# Altium PCB BMS.PcbDoc (part 2 of 2) (continued)
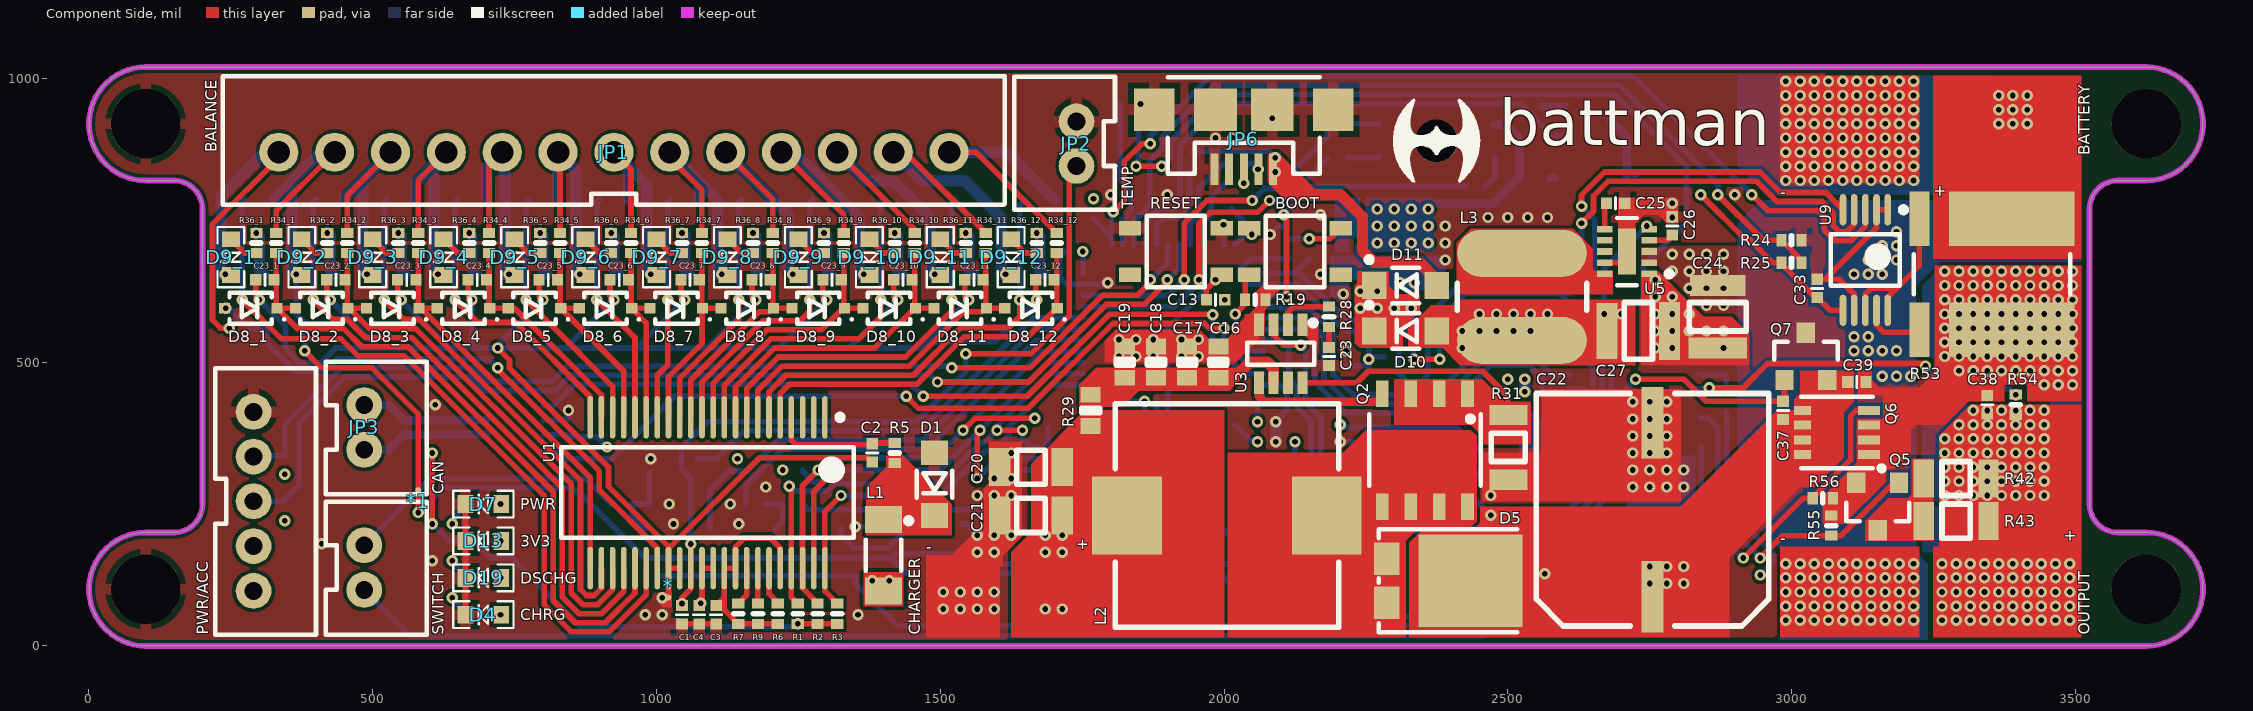
[diagram p0: Component Side view]
## Nets (pads, with @x,y where several pads share a name; then routed paths per layer and width w, separated by ;. In a path a pad name is that pad's centre, name@x,y a point inside that pad or via, vN(x,y) a via of type N, cw(c..) or ccw(c..) an arc to the next point about the centre after c; other vN are vias at no path point) (continued)
  Solder Side w10: v1(1640,610) 1640,777.13 Q3_12.1@1649.41,786.54
NetQ3_12_3: Q3_12.3 R35_12.2 R36_12.2 | length 77.9
  Solder Side w20: v1(1670,727.72) 1675,722.72 Q3_12.3@1675,703.46 1675,662.4 R35_12.2@1682.4,655
NetQ5_2: Q5.2 R42.1 R43.1
NetQ8_1: Q8.1 R38.1 R39.2 | length 78.4
  Solder Side w10: R39.2@1192.72,250 R38.1@1222.28,250 1222.28,219.41 Q8.1@1209.41,206.54
NetQ8_3: Q8.3 Q10.3 Q11.3 Q12.3 R49.1 | length 1607.3
  Solder Side w10: Q12.3@1005,123.46 Q11.3@1120,123.46 Q8.3@1235,123.46 Q10.3@1350,123.46 1350,110 1424.4,35.6 2438.31,35.6 R49.1@2530,127.28
NetQ9_1: Q9.1 R41.1 U2.43 U10.7 | length 1732.2
  Solder Side w10: Q9.1@1490.59,128.46 1491.06,128 1993.17,128 2069.58,51.6 2426.69,51.6 2470.17,95.08 2470.17,144.83 U10.7@2455,160 ; U2.43@2068.94,538.62 2101.38,538.62 2114,526 2114,471 2128,457 2128,421 2154,395 2154,298.37 2203.37,249 2313.63,249 2405.42,157.2 U10.7@2432.6,157.2
NetQ9_3: Q9.3 Q10.1 R44.2 | length 216.2
  Solder Side w10: Q10.1@1324.41,206.54 1324.41,195.59 1347.8,172.2 1407.44,172.2 1446.78,211.54 Q9.3@1465,211.54 1498.82,211.54 R44.2@1502.28,215
NetQ11_1: Q11.1 R45.2 U2.19 | length 843.1
  Solder Side w10: Q11.1@1094.41,206.54 1094.41,274.41 1128.17,308.17 1160.55,308.17 1215.37,363 1470.67,363 1665.98,558.31 U2.19@1752.01,558.31
NetQ13_1: Q13.1 R59.2 U2.28 | length 947.7
  Solder Side w10: U2.28@1861.26,706.93 1861.26,746.31 1885.95,771 1916,771 1922.97,777.97 1922.97,855.34 ; 1923,855.37 1923,883.24 1994.76,955 2522.28,955 R59.2@2527.28,950 2577.87,899.41 Q13.1@2598.46,899.41
NetR6_1: R6.1 U1.39 | length 69.2
  Component Side w10: U1.39@1198.27,137.13 1198.27,92.32 1213.88,76.7 R6.1@1213.88,74.44
NetR7_1: R7.1 U1.37 | length 68.9
  Component Side w10: R7.1@1143.86,74.44 1143.86,74.68 1158.9,89.72 U1.37@1158.9,137.13
NetR9_1: R9.1 U1.38 | length 58
  Component Side w10: R9.1@1178.58,79.16 U1.38@1178.58,137.13
NetR11_1: R11.1 U2.32 | length 168.1
  Solder Side w10: U2.32@1940,706.93 1940,745 1955,760 1955,805.39 R11.1@1998.44,848.84 ; R11.1@2000.32,850 R11.1@2002.28,850
NetR12_1: R12.1 R13.2 U2.33 | length 125.7
  Solder Side w10: U2.33@1959.69,706.93 1959.69,742.06 1977.28,759.66 R13.2@1977.28,770 1977.28,790 R12.1@2002.28,815
NetR14_1: R14.1 U2.29 | length 175.3
  Solder Side w10: U2.29@1880.95,706.93 1880.95,743.37 1892.58,755 1922.63,755 1938.97,771.34 1938.97,776.04 ; 1939,776.07 1939,834.57 R14.1@1945,834.57
NetR22_1: R22.1 U7.10 | length 1640.8
  Component Side w10: v1(1845,845) v1(1890,845)
  Solder Side w10: v1(1845,845) 1848,845 1849,844 1849,916.28 R22.1@1852.72,920 ; v1(1890,845) 1907,862 1907,889.87 1989.13,972 2688,972 2815,845 2815,745 2739,669 2739,516.3 2751.3,504 U7.10@2841,504
NetR28_1: R28.1 U3.2 | length 98.1
  Component Side w10: U3.2@2112.8,566.18 2112.8,588.1 2122.41,597.72 R28.1@2185,597.72
NetR30_2: R30.2 R32.1 R33.2 U3.3 | length 590.3
  Component Side w10: U3.3@2087.2,566.18 2087.2,547.67 2104.88,530 v1(2135,530)
  Solder Side w10: v1(2135,530) 2135,525 2140,525 2144,521 2144,428.99 2170,402.99 2170,305 2210,265 2327.72,265 2352.72,290 R32.1@2382.28,290 R30.2@2382.28,325
NetR33_1: R33.1 U4.6 | length 52.2
  Solder Side w10: U4.6@2307.79,340.35 2307.8,294.49 R33.1@2312.28,290
NetR39_1: R39.1 R40.2 U2.18 | length 733.2
  Solder Side w10: R39.1@1157.28,250 R40.2@1157.28,280 1157.28,282.28 1222,347 1477.3,347 1668.92,538.62 U2.18@1752.01,538.62
NetR52_1: R52.1 U2.25 U9.3 | length 1766.2
  Component Side w10: v1(1805,765) 1824,784 1824,853.7 1855.3,885 v1(1870,885) ; v1(2930,795) 2958,767 3046.96,767 3057.72,756.23 3057.72,733.3 3077,714.02 3104.26,714.02 3130,739.76 U9.3@3130,768.58
  Solder Side w10: R52.1@1770,752.28 U2.25@1802.21,720.08 ; v1@1806.38,763.62 1805,763.62 v1(1805,765) 1802.21,762.21 U2.25@1802.21,720.08 ; v1(1870,885) 1870,898.12 1975.88,1004 2721,1004 v1(2930,795) ; U2.25@1802.21,720.08 U2.25@1802.21,706.93 U2.25@1802.21,720.08
NetR53_3: R53.3 U9.9 | length 105.7
  Component Side w10: U9.9@3149.69,591.42 3149.69,565.31 3162.14,552.86 3217.74,552.86 R53.3@3222.24,557.36
NetR53_4: R53.4 U9.8 U9.10 | length 272.1
  Component Side w10: U9.8@3130,591.42 3130,620 3140,630 3185,630 ; U9.10@3169.37,591.42 3169.37,614.37 3185,630 ; R53.4@3225.24,752.64 3225.24,670.24 3185,630
NetU2_40: U2.40 U7.8 | length 688.7
  Solder Side w10: U2.40@2068.94,597.68 2097.32,597.68 2101.01,593.99 2150.75,593.99 2192,552.75 2192,478.05 2227.05,443 2372.75,443 2459.31,529.57 U7.8@2604,529.57 U7.8@2614,529.57
NetU2_41: U2.41 U7.6 | length 694.7
  Solder Side w10: U2.41@2068.94,577.99 2144.13,577.99 2176,546.12 2176,471.42 2220.42,427 2379.37,427 2463.37,511 2544,511 2576.61,478.39 U7.6@2604,478.39 U7.6@2609,478.39
NetU2_42: U2.42 U7.4 | length 723.7
  Solder Side w10: U2.42@2068.94,558.31 2069.24,558 2141.49,558 2160,539.49 2160,464.79 2213.79,411 2386,411 2470,495 2537.37,495 2560,472.37 2560,445 2577.8,427.2 U7.4@2604,427.2 U7.4@2609,427.2
NetU10_1: U10.1 Y2.2 | length 107
  Solder Side w10: Y2.2@2210.79,100 Y2.2@2194.21,100 2194.21,124.21 2201.61,131.61 U10.1@2257.4,131.61
NetU10_2: U10.2 Y2.1 | length 189.6
  Solder Side w10: Y2.1@2100.79,100 2100.79,115.79 2142.2,157.2 U10.2@2257.4,157.2
POWER_BTN: Q1.3 R62.1 U2.20 | length 784.5
  Solder Side w10: Q1.3@1071.54,330 R62.1@1107.28,330 1107.28,332.28 1154,379 1464.05,379 1663.04,577.99 U2.20@1752.01,577.99
PRECHARGE_GATE: Q5.1 R55.1 U7.14 | length 583.3
  Component Side w10: v1(2945,155) 2945,155.56 2983.73,194.28 R55.1@3070,194.28 3087.32,194.28 Q5.1@3177.4,284.37
  Solder Side w10: U7.14@2841,401.61 2853.39,401.61 2870,385 2870,230 v1(2945,155)
SPI.CS1: R3.2 U1.44 U2.14 | length 727.7
  Component Side w10: R3.2@1318.6,74.44 1318.6,74.94 1296.69,96.85 1296.69,236.69 v1(1325,265)
  Solder Side w10: v1(1325,265) 1500.25,265 1578.25,343 1592.7,343 1621,371.3 1621,386 1694.88,459.88 U2.14@1752.01,459.88
SPI.CS2: R61.1 U2.12 U11.1 | length 149.7
  Solder Side w10: U11.1@1729.53,275.08 1737.55,275.08 1802.21,339.73 U2.12@1802.21,390
SPI.MISO: R8.1 U1.43 U2.16 U11.2 | length 1055.9
  Component Side w10: U1.43@1277.01,137.13 1277.01,272.01 v1(1315,310) ; v1(1565,295) 1565,380 v1(1570,380)
  Solder Side w10: R8.1@1257.72,310 1257.72,307.59 1263.3,302 1264,302 1264,301.3 1276.3,289 1293.7,289 1306,301.3 1306,302 1306.7,302 1314.7,310 v1(1315,310) 1500,310 v1(1570,380) ; v1(1565,295) 1565.3,295 1586.3,316 1633.7,316 1639.7,310 1693.43,310 1709.84,293.59 U11.2@1709.84,275.08 ; v1@1567.37,377.63 1689,499.25 U2.16@1752.01,499.25
SPI.MOSI: R2.2 U1.42 U2.17 U11.5 | length 982.6
  Component Side w10: U1.42@1257.32,137.13 U1.42@1257.32,101.81 ; R2.2@1283.86,74.44 1283.86,75.28 U1.42@1257.32,101.81 ; v1(1285,310) 1257.32,282.32 U1.42@1257.32,101.82 ; v1(1540,380) 1540.3,380 1561.3,401 v1(1666.72,401)
  Solder Side w10: v1(1285,310) 1306,331 1491.3,331 v1@1540,379.7 ; v1(1540,380) v1@1540,379.7 ; U2.17@1752.01,518.94 1679.24,518.94 v1@1540,379.7
SPI.SCK: R1.2 U1.41 U2.15 U11.6 | length 964.6
  Component Side w10: v1(1233.87,281.13) 1237.64,277.36 1237.64,85.66 R1.2@1248.86,74.44 ; v1(1600,380) v1(1645,380)
  Solder Side w10: v1(1233.87,281.13) 1235,281.13 1243.13,273 1300.33,273 1313.33,286 1498.63,286 1571.63,359 1578.7,359 1600,380.3 1600,387.63 1691.94,479.57 U2.15@1752.01,479.57 ; v1(1645,380) 1645,365 1660,350 1680,350 1690.16,360.16 U11.6@1690.16,384.92
USB.DM: JP6.D- R11.2 | length 28.5
  Solder Side w10: R11.2@2037.72,845 2042.72,850 2050,850 v1(2060,840)
USB.DP: JP6.D+ R12.2
  other v1: 2035,815
V-: *.2 C2.1 C5.1 C23_1.1 C23_2.1 C23_3.1 C23_4.1 C23_5.1 C23_6.1 C23_7.1 C23_8.1 C23_9.1 C23_10.1 C23_11.1 C23_12.1 U1.30 U1.31 | length 4050.2
  Component Side w10: C23_1.1@293.86,645 293.86,616.14 v1(300,610) ; C23_2.1@418.86,645 418.86,616.14 v1(425,610) ; C23_3.1@543.86,645 543.86,616.14 v1(550,610) ; C23_4.1@668.11,645 668.11,616.89 v1(675,610) ; v1(720,525) 720,524.7 741,503.7 741,489.25 915.31,314.95 915.31,281.17 1021.1,175.38 U1.30@1021.1,171.4 ; C23_5.1@793.11,645 793.11,616.89 v1(800,610) ; C23_6.1@918.11,645 918.11,616.89 v1(925,610) ; U1.31@1040.79,137.13 U1.30@1021.1,137.13 U1.30@1021.1,171.4 ; C23_7.1@1043.11,645 1043.11,616.89 v1(1050,610) ; C23_8.1@1168.11,645 1168.11,616.89 v1(1175,610) ; C23_9.1@1293.11,645 1293.11,616.89 v1(1300,610) ; C2.1@1380,324.25 1372.87,331.38 1181.08,331.38 U1.30@1021.1,171.4 ; C23_10.1@1418.11,645 1418.11,616.89 v1(1425,610) ; C23_11.1@1543.11,645 1543.11,616.89 v1(1550,610) ; C23_12.1@1668.11,645 1668.11,611.89 v1(1670,610)
  Solder Side w10: v1(300,610) 346.14,563.86 C5.1@346.14,560 346.14,524.16 371.3,499 408.75,499 434.75,525 510,525 ; v1(425,610) 510,525 ; v1(550,610) 635,525 ; v1(675,610) 675,530 680,525 ; v1(800,610) v1@715,525 ; v1(925,610) 840,525 ; v1(1050,610) 965,525 ; v1(1175,610) 1090,525 ; v1(1300,610) 1215,525 ; v1(1425,610) 1340,525 ; v1(1550,610) 1476,536 ; v1(1670,610) 1596,536 1476,536 ; 510,525 635,525 ; 635,525 680,525 ; 680,525 v1@715,525 ; v1@715,525 v1(720,525) 840,525 ; 840,525 965,525 ; 965,525 1090,525 ; 1090,525 1215,525 ; 1215,525 1340,525 ; 1340,525 1465,525 1476,536
VBB: C38.1 C39.1 Q4.3 Q4.3_1 Q4.3_2 Q4.3_3 Q4.3_4 Q4.3_5 Q5.3 Q6.1 R50.1 R53.1 R55.2 R56.2
  other v1: 2530,447.72 3445,460 3470,460 3495,460 3295,485 3320,485 3345,485 3370,485 3395,485 3420,485 3445,485 3470,485 3495,485 3270,510 3295,510 3320,510 3345,510 3370,510 3395,510 3420,510 3445,510 3470,510 3495,510 3270,535 3295,535 3320,535 3345,535 3370,535 3395,535 3420,535 3445,535 3470,535 3495,535 3270,560 3295,560 3320,560 3345,560 3370,560 3395,560 3420,560 3445,560 3470,560 3495,560 3270,585 3295,585 3320,585 3345,585 3370,585 3395,585 3420,585 3445,585 3470,585 3495,585 3270,610 3295,610 3320,610 3345,610 3370,610 3395,610 3420,610 3445,610 3470,610 3495,610 3270,635 3295,635 3320,635 3345,635 3370,635 3395,635 3420,635 3445,635 3470,635 3495,635 3270,660 3295,660 3320,660 3345,660 3370,660 3395,660 3420,660 3445,660 3470,660 3495,660
  other v2: 2530,470
VCC: BOOT.3 BOOT.4 C6.2 C9.2 C10.2 C11.2 C12.2 C29.2 C32.2 C33.2 C35.1 C40.2 C41.2 C42.1 D2.2 D14.1 L4.2 LS1.1 PWR/ACC.4 R1.1 R2.1 R3.1 R8.2 R13.1 R15.2 R16.2 R17.2 R18.2 R25.2 R37.2 R52.2 R61.2 R62.2 U2.1 U2.9 U2.24 U2.36 U2.48 U4.1 U4.2 U4.5 U4.7 U6.3 U7.5 U7.7 U8.3 U9.6 U10.8 U11.8 | length 3885
  Component Side w10: v1(605,215) 605,335 610,340 v1(605,340) ; v1(1248.86,39.01) R2.1@1283.86,39.01 R3.1@1318.6,39.01 ; v1(2150,717.72) 2187.09,717.72 BOOT.3@2205.71,736.34 ; v1(2840,795) 2918.89,716.11 2926.26,716.11 2967.37,675 R25.2@2982.28,675 2982.28,673.22 3041.65,613.86 C33.2@3045,613.86 3067.44,591.42 U9.6@3090.63,591.42
  Solder Side w10: v1(605,215) 635,185 R37.2@675,185 ; R37.2@677.28,185 R37.2@675,185 ; U8.3@801.18,372.2 841.65,372.2 C32.2@845,368.86 894.63,368.86 v1(912.83,350.65) 914.35,350.65 v1@915,350 ; v1(1248.86,39.01) 1243.85,34 866,34 745,155 707.48,155 675,187.48 R37.2@675,185 ; U11.8@1729.53,384.92 1758.78,384.92 C42.1@1770,396.14 1770,405.9 1795.61,431.51 1859.75,431.51 v1(1859.95,431.31) 1861.26,430 1861.26,347.4 C11.2@1848.86,335 ; U2.24@1750,658.74 U2.24@1752.01,656.73 1752.01,694.13 v1(1751.14,695) ; R61.2@1802.72,305 1832.72,335 C11.2@1848.86,335 ; C11.2@1853.86,335 C11.2@1848.86,335 ; R13.1@2012.72,770 2048.86,733.86 v1(2048.86,725) 2036.81,725 U2.36@2018.74,706.93 ; U2.1@2018.74,390 2048.74,360 v1(2058.86,360) ; v1(2058.86,395) 2058.86,430.12 U2.48@2068.94,440.2 ; R16.2@2115,717.72 v1(2150,717.72) ; v1(2125,360) 2125,304.75 2197.76,231.98 2308.02,231.98 2408.39,131.61 U10.8@2432.6,131.61 2432.6,96.46 C35.1@2421.14,85 ; v1(2205,389.68) 2205,385.61 2264.39,385.61 ; C41.2@2215,493.86 2248.86,493.86 2255,500 v1(2255,505) ; U4.1@2255,491.26 2255.63,490.63 U4.1@2255.63,533.58 ; U4.1@2256.61,509.65 U4.2@2282.2,509.65 ; U4.7@2282.2,340.35 2282.2,367.8 2264.39,385.61 ; U4.5@2333.39,340.35 2333.39,367.22 2315,385.61 ; U7.5@2609,452.8 2634.97,452.8 2650,437.76 ; U7.7@2609,503.98 2634.97,503.98 2650,488.94 2650,437.76 ; 2264.39,385.61 2315,385.61 ; 2315,385.61 2409.39,385.61 2520,275 2620,275 2650,305 2650,437.76
  Solder Side w15: v1(2330,770) 2340,780 2475,780 2520,825 2520,895 2496.46,918.54 D2.2@2477.36,918.54 ; LS1.1@2575,825 2575.2,824.8 LS1.1@2582.68,824.8
  other v1: 345,220.31 345,302.28 1222.28,310 1142.72,330 2270,710 2300,710 2330,710 2360,710 2270,740 2300,740 2330,740 2360,740 2270,770 2300,770 2360,770 1770,787.72
VDD: C24.2 L1.1 Q7.2 R57.2 U5.2 U5.3 | length 46.4
  Solder Side w10: v1(640,215) 640,222.56 R57.2@667.44,250
  other v1: 1380,115 1410,115 2850,600 2880,600 2820,630 2850,630 2880,630 2790,660 2820,660 2850,660 2880,660 2790,690 2820,690 2850,690 2880,690
VUSB: D11.2 D15.1 JP6.VBUS R14.2 | length 601.8
  Component Side w20: JP6.VBUS@2086.18,860 JP6.VBUS@2086.18,840 2086.18,820.59 2110.77,796 2115.77,796 2116.77,795 2205,795 2244,756 2244,696 2264,676 2344,676 2375.12,644.88 D11.2@2375.12,635 D11.2@2375.12,630
  Solder Side w10: R14.2@1945,870 1946.83,871.83 2078.17,871.83 v1(2090,860)
  other v1: 2090,835
pads on no net: BOOT.1 JP6.ID LS1.3 RESET.2 U1.1 U1.2 U1.3 U2.2 U2.3 U2.4 U2.10 U2.11 U2.13 U2.34 U3.7 U5.7 U5.8 U6.7_1 U6.7_2 U7.3 U7.13 U7.15 U8.5 U8.8 U11.3 U11.7

## Polygon pours and split planes (outlines as drawn)
GND on Solder Side "Top Layer-No Net" (solid, remove dead copper, pour order 31): -30,-80 2780,-80 2975,-80 2975,160 2935,160 2890,205 2890,745 2965,820 2965,1050 -30,1050
VDD on Component Side "Top Layer-No Net" (solid, pour order 30): 3095,410 3095,585 2975,705 2735,705 2735,670 2765,670 2815,620 2815,475 2880,410
GND on Component Side "Top Layer-No Net" (solid, remove dead copper, pour order 32): -60,1100 3059.13,1100 3059.13,254.13 2770,-35 0,-35 -65,30 -120,85 -120,965 -120,1040
CHG+ on Component Side "Top Layer-No Net" (solid, pour order 33): 2310,15 3020,15 3020,295 2310,295
VBB on Component Side "Top Layer-No Net" (solid, pour order 35): 3060,220 3145,220 3365,440 3310,495 3215,495 3130,495 3060,425
DSG- on Ground Plane (split plane): 3504.9,250 3504.93,249.75 3505.25,243.13 3506.26,236.33 3507.93,229.66 3510.25,223.18 3513.19,216.96 3516.73,211.06 3520.82,205.54 3525.44,200.44 3530.54,195.82 3536.06,191.73 3541.96,188.19 3548.18,185.25 3554.66,182.93 3561.33,181.26 3568.13,180.25 3574.75,179.93 3575,179.9 3625,179.9 3625.63,179.97 3632.84,179.61 3640.61,178.46 3648.22,176.55 3655.61,173.91 3662.71,170.55 3669.44,166.51 3675.75,161.84 3681.57,156.57 3686.84,150.75 3691.51,144.44 3695.55,137.71 3698.91,130.61 3701.55,123.22 3703.46,115.61 3704.61,107.84 3705,100 3704.61,92.16 3703.46,84.39 3701.55,76.78 3698.91,69.39 3695.55,62.29 3691.51,55.56 3686.84,49.25 3681.57,43.43 3675.75,38.16 3669.44,33.49 3662.71,29.45 3655.61,26.09 3648.22,23.45 3640.61,21.54 3632.84,20.39 3625.63,20.03 3625,20.1 2965.1,20.1 2965.1,192.89 3098.6,326.4 3099.71,328.05 3100.1,330 3100.1,657.89 3187.11,744.9 3504.9,744.9
GND on Ground Plane (split plane): 177 vertices, not listed, extent 20,20.03 3705,999.97
VBB on Power Plane (split plane): 3504.9,440.1 3175.1,440.1 3175.1,465 3174.71,466.95 3173.6,468.6 2933.6,708.6 2931.95,709.71 2930,710.1 2785,710.1 2783.05,709.71 2781.4,708.6 2731.4,658.6 2730.29,656.95 2729.9,655 2729.9,577.11 2577.89,425.1 2495.1,425.1 2495.1,457.89 2608.6,571.4 2609.71,573.05 2610.1,575 2610.1,605 2610.1,647.89 2732.11,769.9 3504.9,769.9
VDD on Power Plane (split plane): 3164.9,462.89 3164.9,437.11 2921.4,193.6 2787.89,60.1 1852.11,60.1 1783.6,128.6 1781.95,129.71 1780,130.1 1485,130.1 1483.05,129.71 1481.4,128.6 1456.4,103.6 1455.29,101.95 1454.92,100.1 1367.11,100.1 1353.6,113.6 1351.95,114.71 1350,115.1 712.11,115.1 653.6,173.6 651.95,174.71 650,175.1 625.1,175.1 625.1,180 625.1,217.89 632.11,224.9 652.89,224.9 706.4,171.4 708.05,170.29 710,169.9 2350,169.9 2351.95,170.29 2353.6,171.4 2493.6,311.4 2494.71,313.05 2495.1,315 2495.1,414.9 2580,414.9 2581.95,415.29 2583.6,416.4 2738.6,571.4 2739.71,573.05 2740.1,575 2740.1,652.89 2787.11,699.9 2927.89,699.9
DSG+ on Power Plane (split plane): 3504.9,250 3504.93,249.75 3505.25,243.13 3506.26,236.33 3507.93,229.66 3510.25,223.18 3513.19,216.96 3516.73,211.06 3520.82,205.54 3525.44,200.44 3530.54,195.82 3536.06,191.73 3541.96,188.19 3548.18,185.25 3554.66,182.93 3561.33,181.26 3568.13,180.25 3574.75,179.93 3575,179.9 3625,179.9 3625.63,179.97 3632.84,179.61 3640.61,178.46 3648.22,176.55 3655.61,173.91 3662.71,170.55 3669.44,166.51 3675.75,161.84 3681.57,156.57 3686.84,150.75 3691.51,144.44 3695.55,137.71 3698.91,130.61 3701.55,123.22 3703.46,115.61 3704.61,107.84 3705,100 3704.61,92.16 3703.46,84.39 3701.55,76.78 3698.91,69.39 3695.55,62.29 3691.51,55.56 3686.84,49.25 3681.57,43.43 3675.75,38.16 3669.44,33.49 3662.71,29.45 3655.61,26.09 3648.22,23.45 3640.61,21.54 3632.84,20.39 3625.63,20.03 3625,20.1 1740.1,20.1 1740.1,80 1739.71,81.95 1738.6,83.6 1736.95,84.71 1735,85.1 1675,85.1 1673.05,84.71 1671.4,83.6 1645.39,57.6 1374.61,57.6 1358.6,73.6 1356.95,74.71 1355,75.1 687.11,75.1 653.6,108.6 651.95,109.71 650,110.1 625.1,110.1 625.1,157.5 625.1,164.9 647.89,164.9 706.4,106.4 708.05,105.29 710,104.9 1347.89,104.9 1361.4,91.4 1363.05,90.29 1365,89.9 1455,89.9 1456.95,90.29 1458.6,91.4 1459.71,93.05 1460.08,94.92 1461.95,95.29 1463.6,96.4 1487.11,119.9 1777.89,119.9 1846.4,51.4 1848.05,50.29 1850,49.9 2790,49.9 2791.95,50.29 2793.6,51.4 2928.6,186.4 3172.11,429.9 3504.9,429.9
5V on Power Plane (split plane): 2599.9,577.11 2486.4,463.6 2485.29,461.95 2484.9,460 2484.9,317.11 2347.89,180.1 712.11,180.1 658.6,233.6 656.95,234.71 655,235.1 630,235.1 628.05,234.71 626.4,233.6 616.4,223.6 615.29,221.95 614.9,220 614.9,180 614.9,157.5 614.9,155 614.9,20.1 205.1,20.1 205.1,87.89 262.11,144.9 325,144.9 326.95,145.29 328.6,146.4 468.6,286.4 497.11,314.9 1112.89,314.9 1141.4,286.4 1143.05,285.29 1145,284.9 1255,284.9 1256.95,285.29 1258.6,286.4 1357.11,384.9 1972.89,384.9 2031.4,326.4 2033.05,325.29 2035,324.9 2170,324.9 2171.95,325.29 2173.6,326.4 2452.11,604.9 2599.9,604.9
C+ on Power Plane (split plane): 681.4,66.4 683.05,65.29 685,64.9 1352.89,64.9 1368.9,48.9 1370.55,47.79 1372.5,47.4 1647.5,47.4 1649.45,47.79 1651.1,48.9 1677.11,74.9 1729.9,74.9 1729.9,20.1 627.11,20.1 625.1,22.11 625.1,99.9 647.89,99.9
VCC on Power Plane (split plane): 199 vertices, not listed, extent 20,20.03 3705,999.97

## Keep-outs
Keep-Out Layer:
  lines w10: 3524.6,0 200,0 100,0 cw(c100,100) 100,200 150,200 ccw(c150,250) 200,250 200,770 ccw(c150,770) 150,820 100,820 cw(c100,920) 100,1020 200,1020 3524.6,1020 ; 3525,0 3625,0 ccw(c3625,100) 3625,200 3575,200 cw(c3575,250) 3525,250 3525,770 cw(c3575,770) 3575,820 3625,820 ccw(c3625,920) 3625,1020 3525,1020

## Other copper
Component Side:
  region net GND: 1002.78,93.55 1026.74,93.55 1026.74,68.44 1011.56,68.44 1002.78,77.22
  pour cut-out: 2690,655 2730,655 2735,650 2735,615 2690,615
  region net DSG+: 3250,15 3250,175 3495,175 3495,15
  region net B+: 3250,815 3250,1005 3495,1005 3495,815
  region net B+: 3250,682.5 3250,1005 3510,1005 3510,682.5
  region net GND: 2980,815 3225,815 3225,1005 2980,1005
  region net VBB: 3252.31,475 3510,475 3510,670 3252.31,670
  region net DSG+: 3260,15 3510,15 3510,425 3320,425 3315,425 3260,370 3260,340
  region net CHG+: 2348.1,203.1 2437.28,203.1 2451.49,217.31 2451.49,245 2805,245 2975,415 3005,415 3005,435 3015,445 3015,485 3110,485 3110,430 3091.81,411.81 3091.81,331.81 3040,280 3015,280 2890,155 2890,15 2326.49,15 2326.49,181.49
  region net NetD5_2: 2006.49,15 2006.49,340 2210,340 2250,380 2435,380 2445,370 2445,220 2435,210 2345,210 2320,185 2320,15
  region net C+: 1660,320 1755,415 2000,415 2000,15 1660,15
  region net NetQ2_1: 2300,390 2300,470 2455,470 2495,430 2540,430 2540,355 2453.42,355 2453.42,371.57 2435,390
  region net GND: 2455,255 2455,340 2560,340 2560,452.09 2805,452.09 2805,255
  region net C+: 1625,15 1755,15 1755,160 1625,160
  region net GND: 1475,15 1605,15 1605,160 1475,160
  region net NetD1_1: 1370,195 1520,195 1520,250 1435,335 1405,335 1405,315 1370,280
  region net 5V: 2325,525 2325,560 2365,600 2410,600 2410,610 2725,610 2725,495 2415,495 2385,525
  region net NetL3_1: 2410,620 2410,710 2435,735 2615,735 2650,700 2650,665 2655,660 2685,660 2685,620
  region net GND: 1500,140 1610,140 1610,159.18 1643.51,192.69 1643.51,360 1585,360 1585,286.74 1576.18,277.92 1576.18,216.18 1520,160 1515,160 1500,160
  region net VBB: 3255,490 3510,490 3510,480 3510,431.49 3415,431.49 3415,460 3375,460 3375,431.49 3311.49,431.49 3270,390 3220,390 3210,380 3210,340 3181.37,311.37 3165,311.37 3165,287.83 3092.17,215 3055,215 3055,263.1 3115,323.09 3115,400 3161.98,400 3161.98,441.98 3116.49,441.98 3116.49,485 3141.14,485 3141.14,468.85 3154.99,455 3225,455 3255,485
  region net NetQ5_2: 3250,185 3250,330 3212,330 3212,267 3205,260 3170,260 3130,220 3130,185
  region net GND: 2735,495 2735,660 2765,660 2845,580 2895,580 2925,550 2925,495
  region net NetC28_2: 2238.78,525 2315,525 2315,560 2330,575 2345,590 2345,620 2305,620 2290,635 2290,660 2235,660 2235,640 2230,635 2230,533.78
  region net GND: 2695,720 2725,720 2725,745 2740,760 2765,760 2780,745 2800,745 2800,785 2795,790 2695,790
  region net VUSB: 2080,865 2100,865 2165,800 2105,800 2080,825
  region net VDD: 1435,70 1435,130 1365,130 1365,70
  region net DSG-: 2980,15 2980,175 3225,175 3225,15
  region net GND: 2055.01,600.26 2080,600 2080,609.26 2098.78,628.04 2089.78,637.05 2070,637.05 2055.01,622.05
  region net GND: 1790,500 2020,500 2061.61,541.61 2061.61,584.18 2037.76,584.18 2037.76,578.28 2015.65,556.18 2015.65,550.65 2005,540 1974.2,540 1957.17,557.03 1808.92,557.03 1790,538.11
  region net C+: 1625,155 1625,165 1665.71,205.71 1665.71,155
  region net GND: 2040,580 2055,595 2055,620 2080,620 2080,600 2071.61,591.61 2071.61,565 2040,565
  region net GND: 2130,575 2165,575 2165,530 2151.31,530 2151.31,538.69 2140,550 2130,550
  region net NetC16_2: 1745,421.49 1821.49,421.49 1850,450 2010,450 2020,460 2020,490 1775,490 1745,460
Solder Side:
  region net NetC30_1: 2520,400 2555,400 2575,380 2575,370 2560,355 2560,310 2535,310 2520,325
  region net GND: 2790,335 2790,357.57 2710,357.57 2710,240 2830,240 2830,335
  pour cut-out: 2710,455 2810,455 2810,445 2710,445
  region net 5V: 2670,575 2670,595 2700,595 2700,575
  region net DSG+: 3230,255 3455,255 3455,415 3445,425 3230,425
  region net VBB: 3230,165 3510,165 3510,670 3265,670 3230,635 3230,525 3280,475 3410,475 3465,420 3465,245 3230,245
  region net DSG-: 2980,11.22 3240,11.22 3240,145 3220,165 3220,255 3220,635 3262.17,677.17 3510,677.17 3510,785 2945,785 2905,745 2905,245 2980,170
  region net NetC28_2: 2230,585 2340,585 2340,620 2275,620 2275,635 2230,635
  region net VCC: 2250,695 2370,695 2370,790 2250,790
  region net NetL4_1: 2220,695 2220,720 2240,720 2240,790 2195,790 2195,695
  region net VBB: 2520,440 2540,440 2540,475 2535,480 2525,480 2520,475
  region net GND: 2955,795 3510,795 3510,900 3360,900 3345,915 3345,1005 2905,1005 2905,845
  region net GND: 2220,645 2280,645 2290,635 2290,627.01 2390,627.01 2390,665 2390,687.6 2186.97,687.6 2186.97,618.89 2200.86,605 2220,605
  region net VUSB: 2078.33,830 2095,830 2100,835 2100,870 2078.33,870
Ground Plane (plane layer: these items are gaps in the copper):
  lines w10: 2720,455 2880,455 2922.5,497.5 ; 2922.5,767.5 2940,785 2940,825 ; 2960,0 2960,195 3095,330 3095,660 3185,750 3525,750
Power Plane (plane layer: these items are gaps in the copper):
  lines w10: 200,0 200,90 260,150 325,150 465,290 495,320 1115,320 1145,290 1255,290 1355,390 1975,390 2035,330 ; 620,105 650,105 685,70 1355,70 1372.5,52.5 1647.5,52.5 1675,80 1735,80 1735,0 ; 620,155 620,180 620,220 630,230 655,230 710,175 2070,175 2350,175 2490,315 2490,460 2605,575 ; 620,157.5 620,20 640,0 ; 620,170 650,170 710,110 1350,110 1365,95 1455,95 ; 1460,100 1485,125 1780,125 1850,55 2790,55 2925,190 3170,435 ; 2490,420 2580,420 2735,575 2735,655 2785,705 2930,705 3170,465 3170,435 ; 2605,605 2605,575 ; 2605,645 2605,610 2450,610 2170,330 ; 3205,435 3170,435 ; 3244.9,435 3200,435 3525,435 3525,775 2730,775 2605,650 2605,575 ; 3250,435 3522.17,435 ; 2035,330 2170,330 ; 2035,330 2170,330
  lines w20: 3095,0 3244.9,0 ; 3522.17,435 3522.17,787.61

## Silkscreen, mask and mechanical layers (free items; w line width, h text height)
Top Overlay:
  region: 3872 vertices and 0 holes, not listed, extent 2297.86,816.42 2451.06,964.15
  text "BATTERY" at 3525,865 h20 r90
  text "battman" at 2485,855 h140
  text "-" at 2980,790 h20
  text "+" at 3270,790 h20 r90
  text "PWR" at 760,240 h20
  text "+" at 3480,185 h20
  text "-" at 2980,180 h20
  text "3V3" at 760,175 h20
  text "+" at 1740,170 h20
  text "-" at 1475,165 h20
  text "DSCHG" at 760,110 h20
  text "CHRG" at 760,45 h20
  text "CHARGER" at 1465,20 h20 r90
  text "OUTPUT" at 3525,20 h20 r90
Bottom Overlay:
  text "0" at 340,915 h20
  text "1" at 435,915 h20
  text "2" at 540,915 h20
  text "3" at 635,915 h20
  text "4" at 735,915 h20
  text "5" at 835,915 h20
  text "6" at 930,915 h20
  text "7" at 1030,915 h20
  text "8" at 1130,915 h20
  text "9" at 1225,915 h20
  text "10" at 1335,915 h20
  text "11" at 1430,915 h20
  text "12" at 1530,915 h20
  text "battman v4.2" at 1370,474 h30
  text "Raphael Chang" at 1367,431 h20
  text "CANH" at 420,395 h20 r270
  text "GND" at 225,390 h20 r270
  text "CANL" at 420,300 h20 r270
  text "ACC" at 225,265 h20 r270
  text "3V3" at 225,150 h20 r270
  text "5V" at 225,80 h20 r270